# Altium PCB circuit1_pcb_ver1.PcbDoc
Units mil, origin at the board's own origin, x right, y up, seen from the top; angles counter-clockwise.
Board outline 1970.03 x 1965.03 mil, 2 copper layers (Top Layer, Bottom Layer); 26 components, 55 nets, 58 pads, 0 vias.
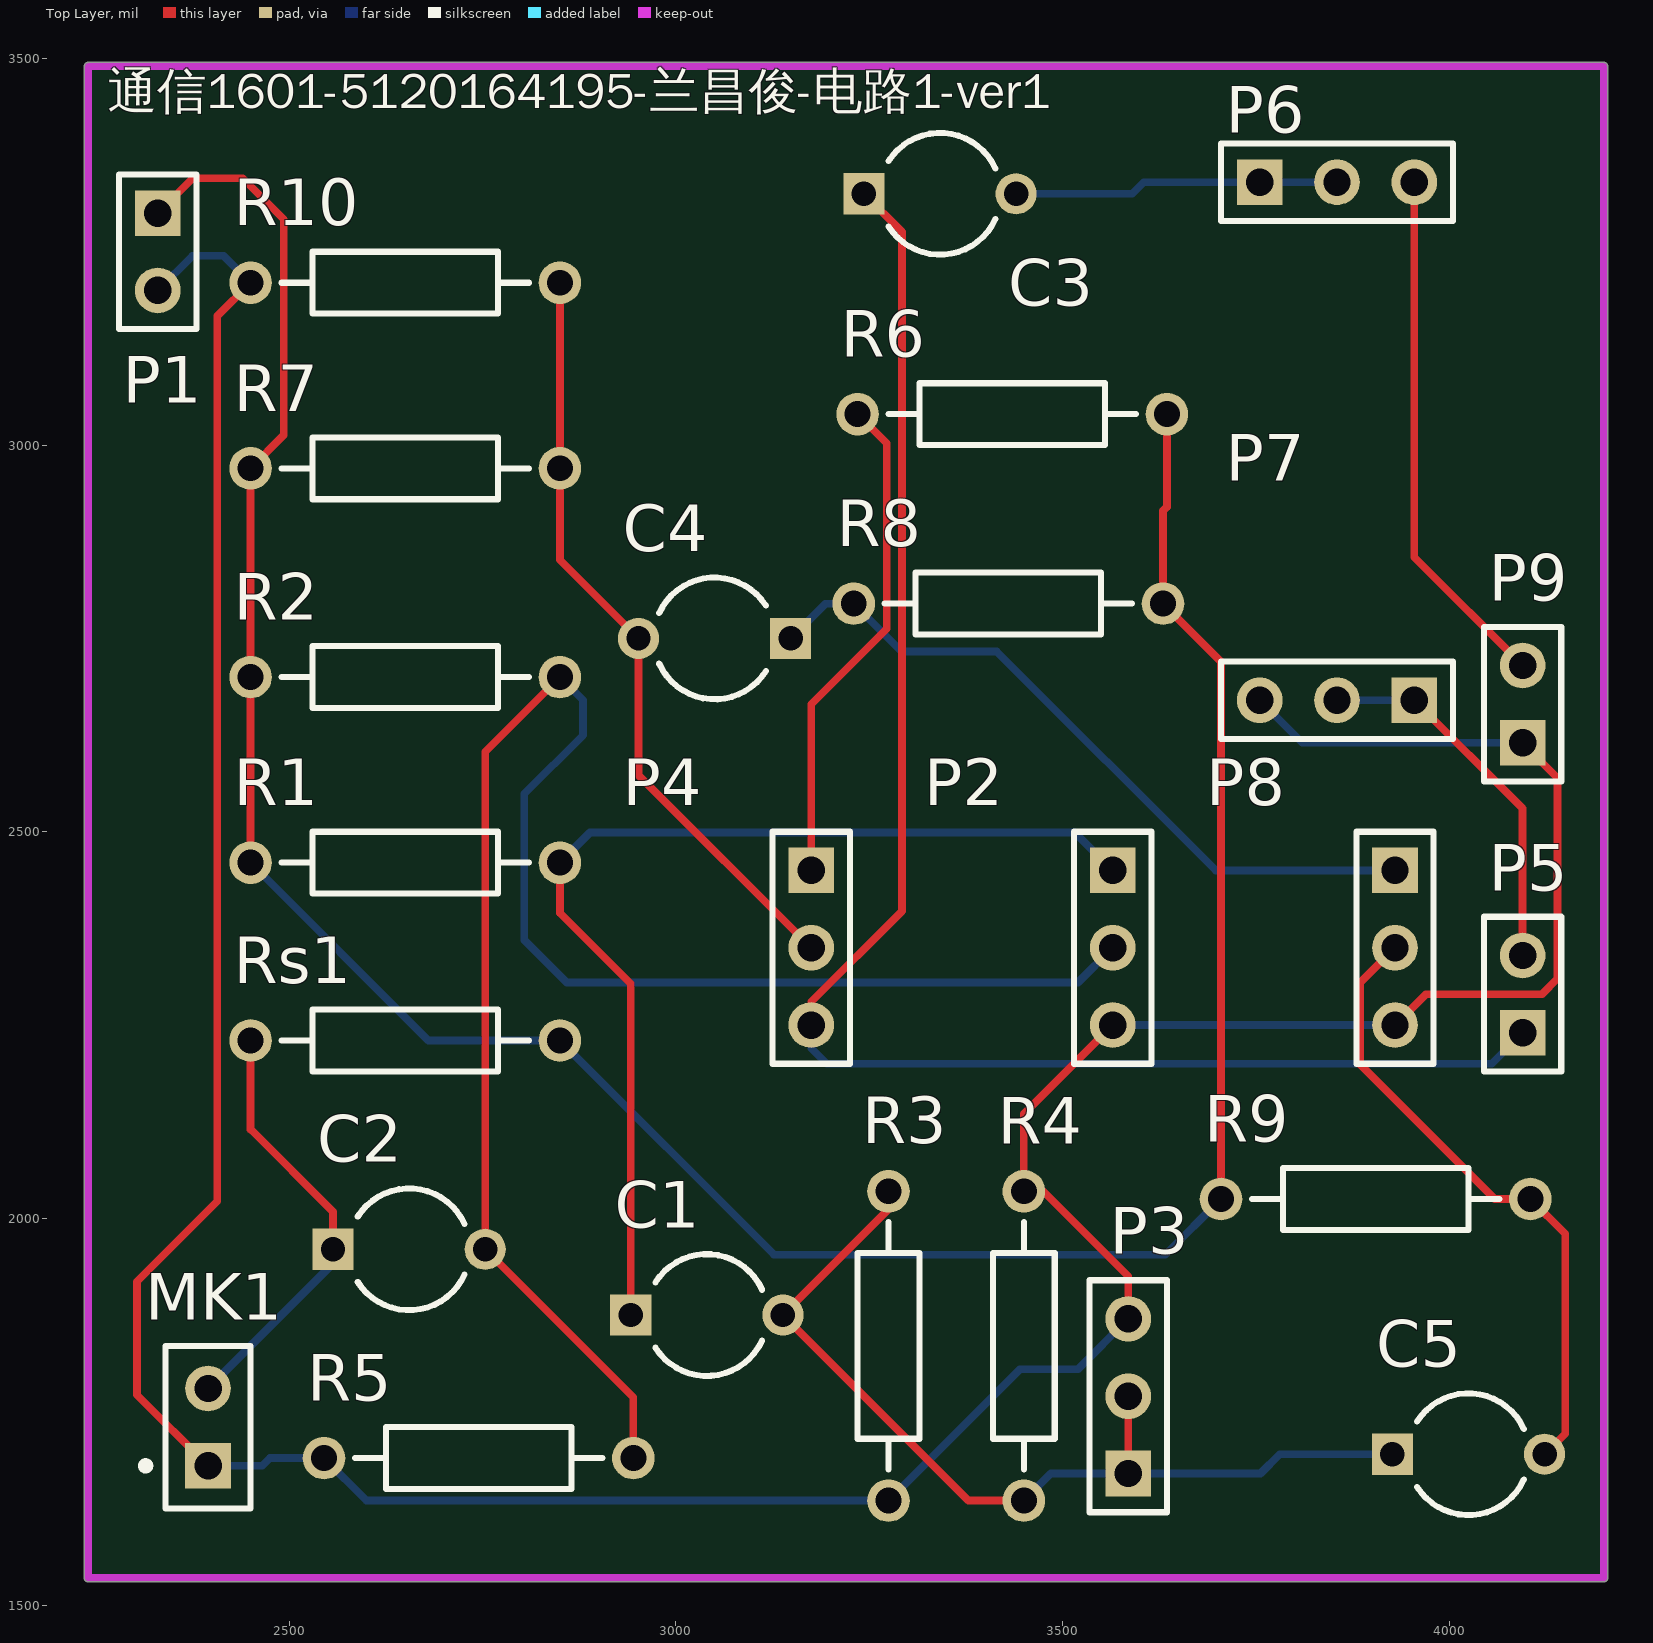
[diagram p0: Top Layer view]
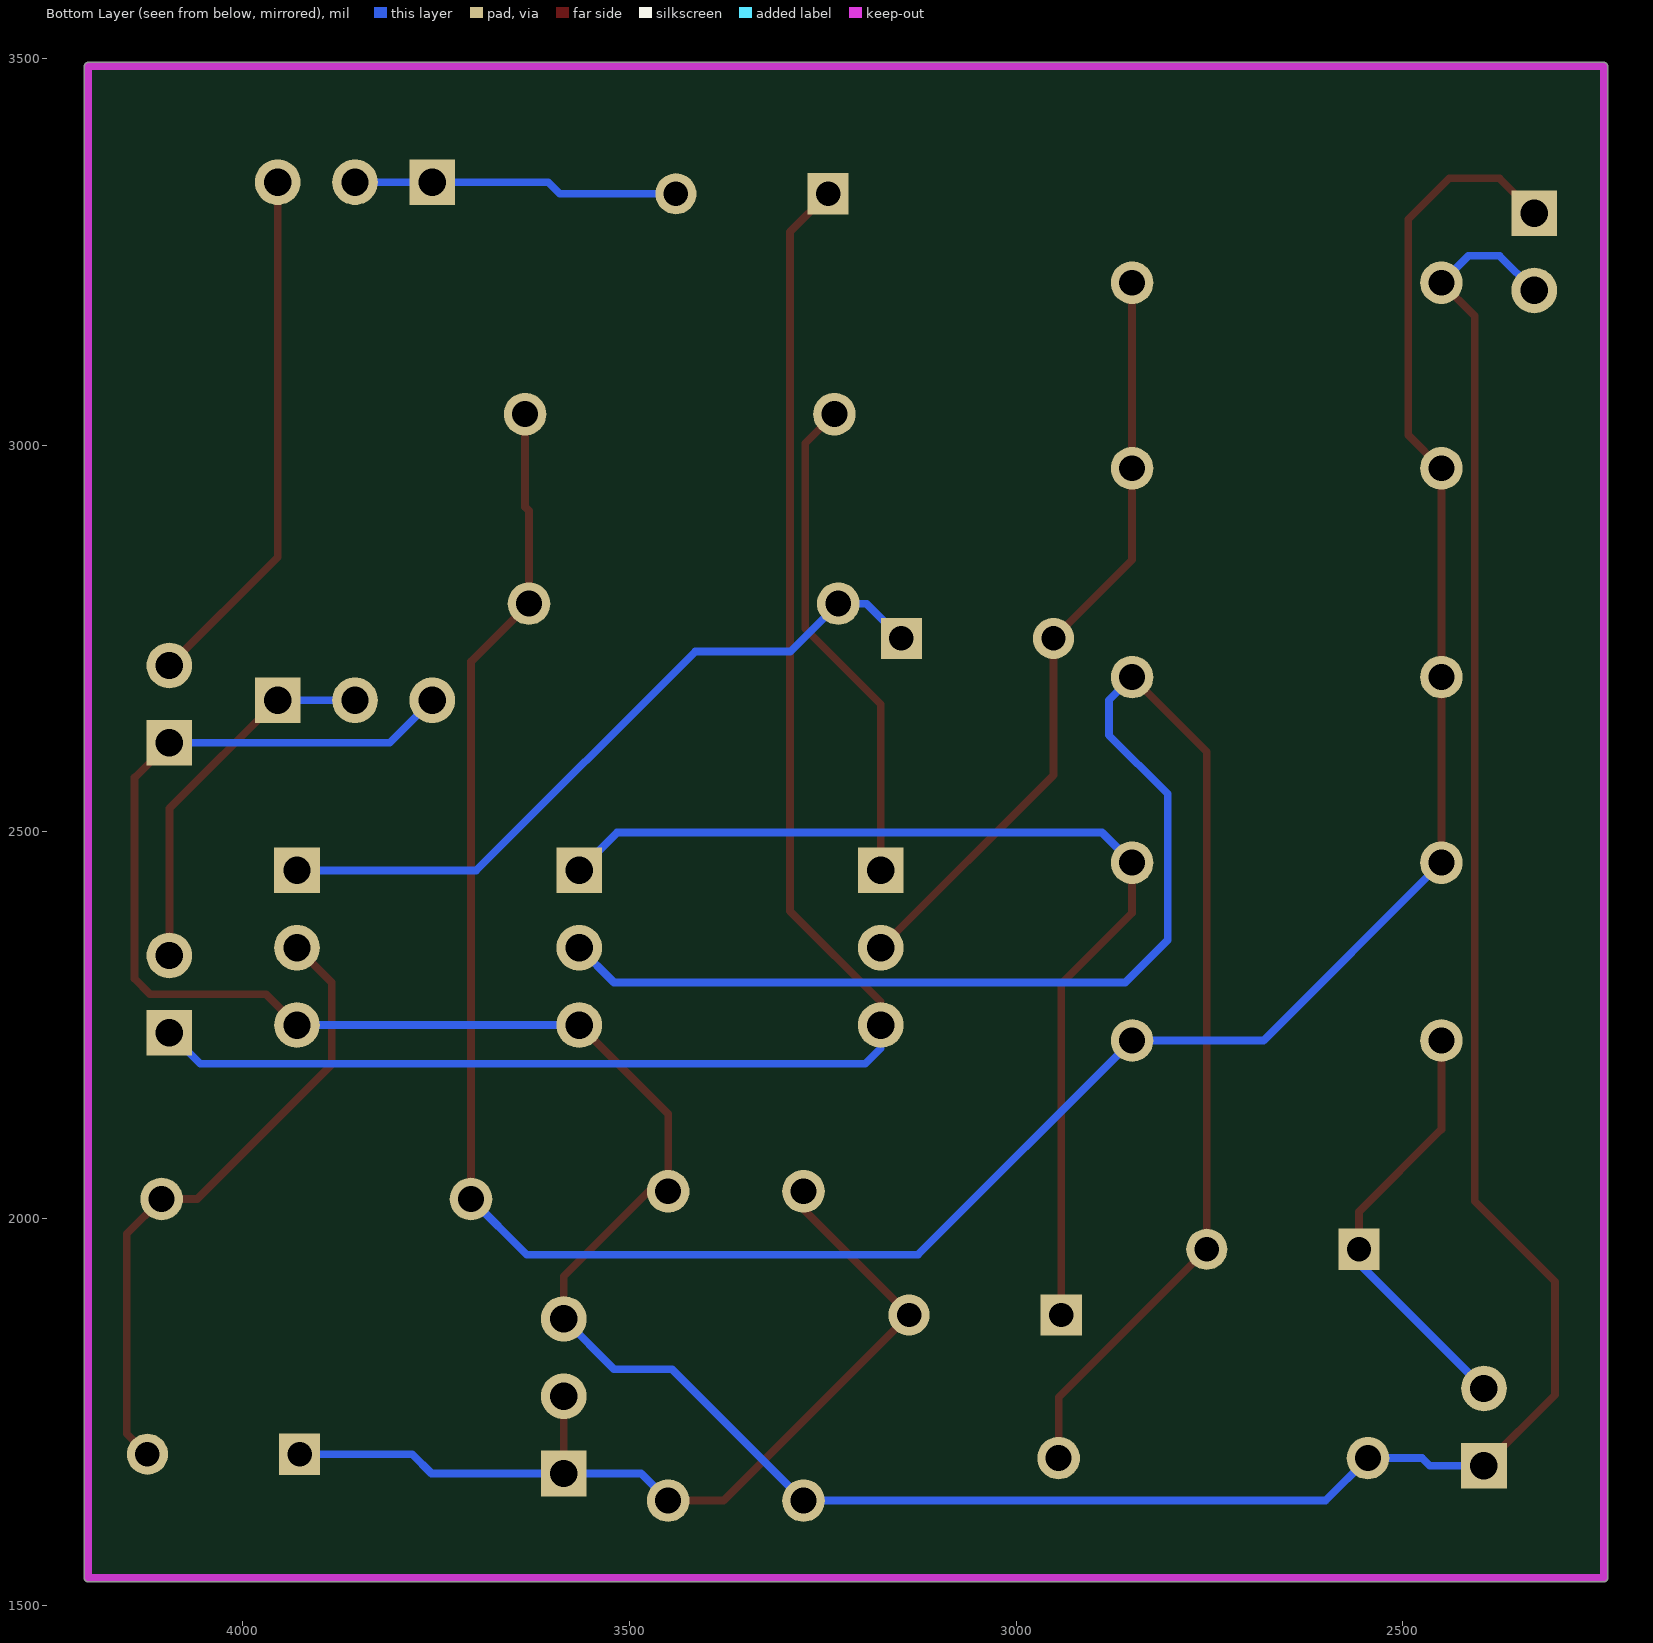
[diagram p1: Bottom Layer view, seen from below]

## Layer stack, top to bottom
Top Solder: solder mask 0.4, Solder Resist, Dk 3.5
Top Layer: signal copper 1.4
Dielectric 1: dielectric 12.6, FR-4, Dk 4.8
Bottom Layer: signal copper 1.4
Bottom Solder: solder mask 0.4, Solder Resist, Dk 3.5

## Board outline
2234.99,1535 ccw(c2240,1535) 2240,1529.98 4200,1529.98 ccw(c4200,1535) 4205.02,1535 4205.02,3490 ccw(c4200,3490) 4200,3495.01 2240,3495.01 ccw(c2240,3490) 2234.99,3490

## Design rules (kind name [scope] priority, off if disabled: settings)
Clearance [All] p1: gap=10 ignorepadtopadclearanceinfootprint=FALSE except(0: Arc-Hole Track-Hole SMDPad-Hole THPad-Hole Via-Hole Fill-Hole Poly-Hole Region-Hole Text-Hole)
PolygonConnect [All] p1: connectstyle=Relief reliefconductorwidth=10 reliefentries=4 polygonreliefangle="90 Angle" airgapwidth=10
RoomDefinition circuit1_ver1 [InComponentClass('circuit1_ver1')] p1: confinementstyle=ConfineIn formatcopy=TRUE lockcomponents=FALSE outline 2240,1535 4200,1535 4200,3490 2240,3490
RoutingVias [All] p1: holewidth=28 width=50 viastyle="Through Hole" minholewidth=28 minwidth=50 maxholewidth=28 maxwidth=50
SolderMaskExpansion [All] p1: expansion=4
Width [All] p1: maxlimit=10 minlimit=10 preferedwidth=10
30 further rules are at their usual default settings.

## Components (designator, comment, footprint, x,y, rotation, side; value= is the part's Value field where it differs from the comment)
C1 "Cap2" CAPR5-4X5 3040,1875 r0 top value=100pF
C2 "Cap2" CAPR5-4X5 2655,1960 r0 top value=100pF
C3 "Cap2" CAPR5-4X5 3341.57,3325 r0 top value=100pF
C4 "Cap2" CAPR5-4X5 3050,2750 r180 top value=100pF
C5 "Cap2" CAPR5-4X5 4025,1695 r0 top value=100pF
MK1 "Mic2" PIN2 2395,1680 r90 top
P1 "Header 2" HDR1X2 2330,3300 r270 top
P2 "NPN" HDR1X3 3565,2450 r270 top
P3 "Res_var" HDR1X3 3585,1670 r90 top
P4 "NPN" HDR1X3 3175,2450 r270 top
P5 "Transistor" HDR1X2 4095,2240 r90 top
P6 "Res_var" HDR1X3 3755,3340 r0 top
P7 "Res_var" HDR1X3 3955,2670 r180 top
P8 "NPN" HDR1X3 3930,2450 r270 top
P9 "speaker2" HDR1X2 4095,2615 r90 top
R1 "Res2" AXIAL-0.4 2650,2460 r180 top value=1K
R2 "Res2" AXIAL-0.4 2650,2700 r180 top value=1K
R3 "Res2" AXIAL-0.4 3275,1835 r90 top value=1K
R4 "Res2" AXIAL-0.4 3450,1835 r270 top value=1K
R5 "Res2" AXIAL-0.4 2745,1690 r0 top value=1K
R6 "Res2" AXIAL-0.4 3435,3040 r0 top value=1K
R7 "Res2" AXIAL-0.4 2650,2970 r180 top value=1K
R8 "Res2" AXIAL-0.4 3430,2795 r0 top value=1K
R9 "Res2" AXIAL-0.4 3905,2025 r180 top value=1K
R10 "Res2" AXIAL-0.4 2650,3210 r0 top value=1K
Rs1 "Res2" AXIAL-0.4 2650,2230 r0 top value=1K

## Footprints (in the part's own frame and the unit in brackets; to place one, negate y for a bottom-side part, rotate by r counter-clockwise, add the part's x,y. Pads: shape width x height; smd on the part's side, far side on the other; paste and mask are expansions set on the pad)
AXIAL-0.4 [mm] "Axial Device, Thru-Hole; 2 Leads; 0.4 in Pin Spacing"
  round 1.4 hole 0.85: 1(-5.08,0) 2(5.08,0)
  silkscreen extent -4.06,-1.02 4.06,1.02
CAPR5-4X5 [mm] "Capacitor; 2 Leads"
  rect 1.35x1.35 hole 0.8: 1(-2.5,0)
  round 1.35 hole 0.8: 2(2.5,0)
  silkscreen extent -1.69,-2 1.82,2
HDR1X2 [mm] "Connector; Header; 2 Position"
  rect 1.5x1.5 hole 0.9: 1(0,0)
  round 1.5 hole 0.9: 2(2.54,0)
  silkscreen extent -1.27,-1.27 3.81,1.27
HDR1X3 [mm] "Connector; Header; 3 Position"
  rect 1.5x1.5 hole 0.9: 1(0,0)
  round 1.5 hole 0.9: 2(2.54,0) 3(5.08,0)
  silkscreen extent -1.27,-1.27 6.35,1.27
PIN2 [mm] "Photosensitive Diode; 2 Leads"
  rect 1.5x1.5 hole 0.9: 1(0,0)
  round 1.5 hole 0.9: 2(2.54,0)
  silkscreen extent -1.4,-1.4 3.94,2.17

## Part data
C1 C2 C3 C4 C5: "Capacitor", PackageDescription="Capacitor; 2 Leads", PackageReference=CAPR5-4X5, Published=23-Sep-2002, Publisher="Altium Limited"
MK1: "Microphone", LatestRevisionDate=17-Jul-2002, LatestRevisionNote="Re-released for DXP Platform.", PackageReference=PIN2, Published=24-Mar-1999, Publisher="Altium Limited"
P1: "Header, 2-Pin", LatestRevisionDate=17-Jul-2002, LatestRevisionNote="Re-released for DXP Platform.", Publisher="Altium Limited"
P2 P3 P4 P6 P7 P8: library part "Header 3", "Header, 3-Pin", LatestRevisionDate=17-Jul-2002, LatestRevisionNote="Re-released for DXP Platform.", Publisher="Altium Limited"
P5 P9: library part "Header 2", "Header, 2-Pin", LatestRevisionDate=17-Jul-2002, LatestRevisionNote="Re-released for DXP Platform.", Publisher="Altium Limited"
R1 R2 R3 R4 R5 R6 R7 R8 R9 R10 Rs1: "Resistor", LatestRevisionDate=17-Jul-2002, LatestRevisionNote="Re-released for DXP Platform.", PackageDescription="Axial Device, Thru-Hole; 2 Leads; 0.4 in Pin Spacing", PackageReference=AXIAL-0.4, Published=8-Jun-2000, Publisher="Altium Limited"

## Nets (pads, with @x,y where several pads share a name; then routed paths per layer and width w, separated by ;. In a path a pad name is that pad's centre, name@x,y a point inside that pad or via, vN(x,y) a via of type N, cw(c..) or ccw(c..) an arc to the next point about the centre after c; other vN are vias at no path point)
GND: MK1.1 P1.2 P2.3 P3.3 P7.3 P8.3 P9.1 R3.1 R4.1 R5.1 R10.1 | length 4880.9
  Top Layer w10: MK1.1 2303,1772 2303,1918 2407,2022 2407,3167 R10.1 ; P2.3 3450,2135 R4.1 3475,2035 3585,1925 P3.3 ; P8.3 3970,2290 4120,2290 4140,2310 4140,2570 P9.1
  Bottom Layer w10: P1.2 2375,3245 2415,3245 R10.1 ; MK1.1 2465,1680 2475,1690 R5.1 2600,1635 R3.1 3445,1805 3520,1805 P3.3 ; P2.3 P8.3 ; P7.3 3810,2615 P9.1
mic1_input: 
mic2_input: 
mic3_input: 
mic_input: C2.1 MK1.2 Rs1.1 | length 561.1
  Top Layer w10: Rs1.1 2450,2115 2556.57,2008.43 C2.1
  Bottom Layer w10: MK1.2 2556.57,1941.57 C2.1
mid1_out0: 
mid1_out1: P1.1 R1.2 R2.2 R6.2 R7.2 R8.2 R9.2 Rs1.2 | length 3596.4
  Top Layer w10: P1.1 2375,3345 2440,3345 2493,3292 2493,3013 R7.2 R2.2 R1.2 ; R6.2 3635,2920 3630,2915 R8.2 3705,2720 R9.2
  Bottom Layer w10: R1.2 2680,2230 Rs1.2 3127,1953 3633,1953 R9.2
mid1_out2: 
mid2_out1: 
mid3_out1: 
mid_out2: C4.2 P4.2 R7.1 R10.2 | length 994.6
  Top Layer w10: R10.2 R7.1 2850,2851.57 C4.2 2951.57,2573.43 P4.2
NetC1_1: C1.1 P2.1 R1.1 | length 1374.4
  Top Layer w10: R1.1 2850,2395 2941.57,2303.43 C1.1
  Bottom Layer w10: R1.1 2889,2499 3516,2499 P2.1
NetC2_2: C2.2 P2.2 R2.1 R5.2 | length 2315.7
  Top Layer w10: R2.1 2753.42,2603.42 C2.2 2945,1768.42 R5.2
  Bottom Layer w10: R2.1 2880,2670 2880,2625 2804,2549 2804,2360 2859,2305 3520,2305 P2.2
NetC3_1: C3.1 P4.3 P5.1 | length 2119
  Top Layer w10: P4.3 3175,2280 3292.56,2397.56 3292.56,3275.59 C3.1
  Bottom Layer w10: P4.3 3175,2220 3195,2200 4055,2200 P5.1
NetC3_2: C3.2 P6.1 P6.2 | length 421.2
  Bottom Layer w10: C3.2 3590,3325 3605,3340 P6.1 P6.2
NetC4_1: C4.1 P8.1 R8.1 | length 943.1
  Bottom Layer w10: C4.1 3193.43,2795 R8.1 3292,2733 3415,2733 3698,2450 P8.1
NetC5_2: C5.2 P8.2 R9.1 | length 821.4
  Top Layer w10: P8.2 3885,2305 3885,2199 4059,2025 R9.1 4150,1980 4150,1721.57 C5.2
NetC6_1: 
NetC8_1: 
NetC8_2: 
NetC9_2: 
NetC10_1: 
NetC11_2: 
NetC12_1: 
NetC13_1: 
NetC14_2: 
NetC15_1: 
NetC15_2: 
NetC16_1: 
NetC16_2: 
NetC18_2: 
NetC19_1: 
NetC20_2: 
NetC21_1: 
NetC21_2: 
NetC22_1: 
NetC22_2: 
NetC24_2: 
NetD1_1: 
NetD3_1: 
NetP4_1: P4.1 R6.1 | length 646
  Top Layer w10: P4.1 3175,2665 3272.56,2762.56 3272.56,3002.44 R6.1
NetP5_2: P5.2 P7.1 P7.2 | length 488
  Top Layer w10: P7.1 4095,2530 P5.2
  Bottom Layer w10: P7.2 P7.1
NetP6_3: P6.3 P9.2 | length 683
  Top Layer w10: P6.3 3955,2855 P9.2
NetP10_2: 
NetP13_3: 
NetP14_2: 
NetP24_2: 
NetP25_3: 
NetP33_2: 
NetP34_3: 
NetP35_2: 
reverse1_out: 
reverse2_out: 
reverse3_out: 
reverse_out: C1.2 C5.1 P3.1 P3.2 R3.2 R4.2 | length 1229
  Top Layer w10: R3.2 3275,2011.57 C1.2 3378.43,1635 R4.2 ; P3.1 P3.2
  Bottom Layer w10: R4.2 3485,1670 P3.1 3756,1670 3781,1695 C5.1

## Keep-outs
Keep-Out Layer:
  lines w10: 2240,1535 2240,3490 4200,3490 4200,1535 2240,1535

## Silkscreen, mask and mechanical layers (free items; w line width, h text height)
Top Overlay:
  text "通信1601-5120164195-兰昌俊-电路1-ver1" at 2265,3420 h80